# Altium PCB IoTa_1_0.PcbDoc (part 2 of 2)
Units mil, origin at the board's own origin, x right, y up, seen from the top; angles counter-clockwise.
Board outline 2180 x 800 mil, 8 copper layers (Top Layer, Signal Layer 1, Signal Layer 2, Internal Plane 1, Internal Plane 2, Signal Layer 3, Signal Layer 4, Bottom Layer), stack 61.2 mil thick; 113 components, 104 nets, 534 pads, 173 vias.
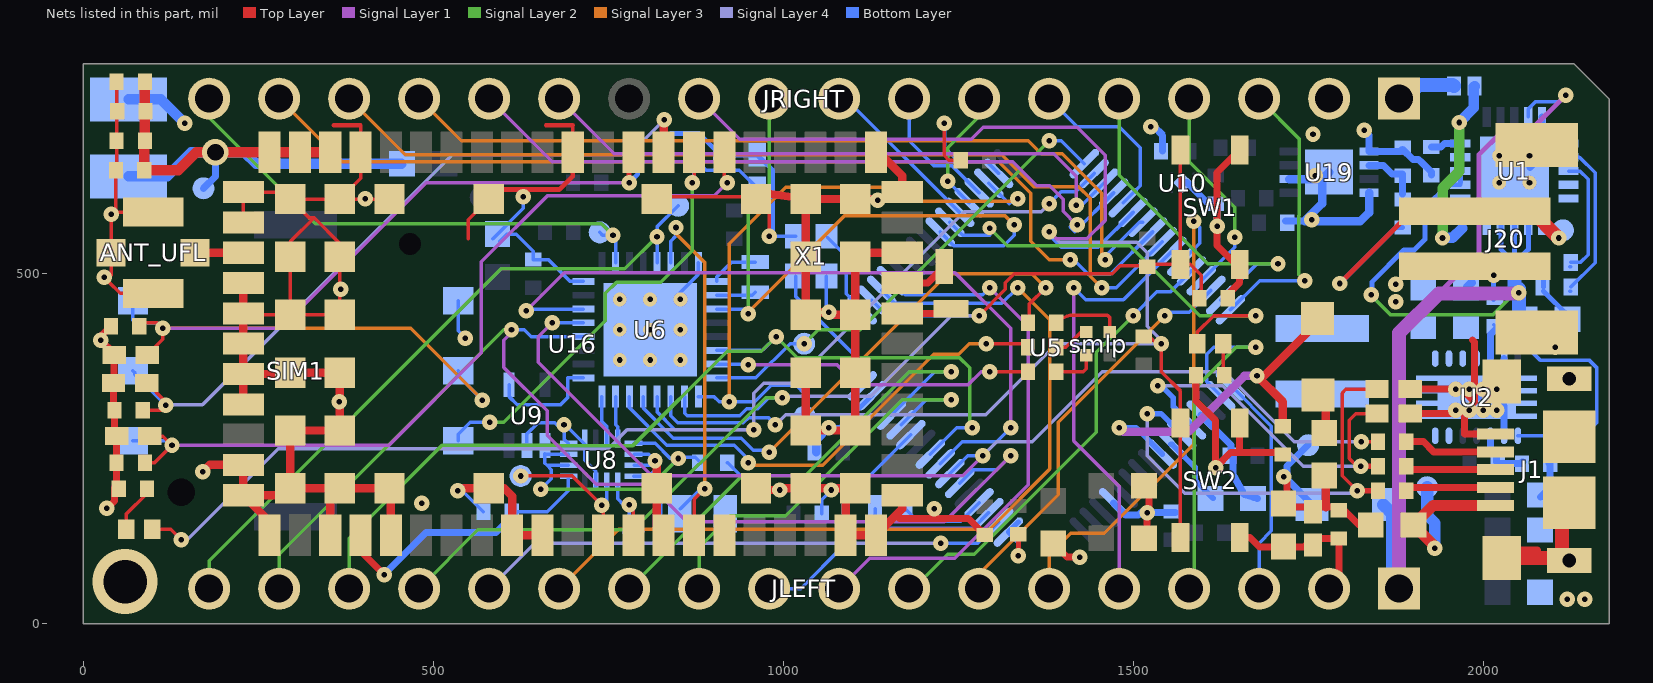
[diagram p8: the nets of this part, all layers, seen from the top]

## Via types
v1: diameter 20/22/22/22/22/20 (per signal layer), hole 8, Top Layer to Bottom Layer, tented top, 160 vias
v2: diameter 19.68, hole 7.87, Top Layer to Bottom Layer, 9 vias
v3: diameter 20/20/20/20/20/20 (per signal layer), hole 8, Top Layer to Bottom Layer, tented top, 2 vias
v4: diameter 86.8/76/76/76/76/93 (per signal layer), hole 62, Top Layer to Bottom Layer, 1 vias
v5: diameter 36/38/38/38/38/36 (per signal layer), hole 24, Top Layer to Bottom Layer, 1 vias

## Nets (pads, with @x,y where several pads share a name; then routed paths per layer and width w, separated by ;. In a path a pad name is that pad's centre, name@x,y a point inside that pad or via, vN(x,y) a via of type N, cw(c..) or ccw(c..) an arc to the next point about the centre after c; other vN are vias at no path point) (continued)
GND: ANT_UFL.GND1 ANT_UFL.GND2 ANT_UFL.GND3 C1.2 C2.2 C3.2 C4.2 C6.2 C7.2 C8.2 C9.2 C10.2 C11.2 C12.2 C16.2 C18.2 C20.2 C24.2 C25.2 C26.2 C27.2 C28.2 C33.2 C34.2 C36.2 C37.2 C38.2 C39.2 C40.2 C41.2 C42.2 C43.2 C44.2 C45.2 C46.2 C47.2 C48.2 C49.2 D3.1 D4.1 D5.1 D6.1 D9.1 D10.1 D11.1 J1.GND J20.CHASSIS1 J20.CHASSIS2 J20.GND JLEFT.2 JRIGHT.2 L3.2 R7.1 R8.1 R12.2 R26.1 R51.2 R65.1 R2000.1 SIM1.C5 SW1.3 SW1.4 SW2.3 SW2.4 U1.10 U1.11 U1.21 U2.2 U2.13 U2.POWERPAD U5.4 U5.31 U5.47 U6.8 U6.16 U6.PAD U8.P$1 U8.P$6 U8.P$7 U8.P$8 U8.P$11 U8.P$16 U9.2 U10.2 U10.5 U16.1 U16.3 U16.5 U16.9 U16.10 U16.14 U16.20 U16.21 U16.22 U16.30 U16.32 U16.33 U16.43 U16.50 U16.54 U16.55 U16.57 U16.58 U16.59 U16.60 U16.61 U16.63 U16.64 U16.65 U16.66 U16.67 U16.68 U16.69 U16.70 U16.71 U16.72 U16.73 U16.74 U16.75 U16.76 U16.77 U16.78 U16.79 U16.80 U16.81 U16.82 U16.83 U16.84 U16.85 U16.86 U16.87 U16.88 U16.89 U16.90 U16.91 U16.92 U16.93 U16.94 U16.95 U16.96 U19.1 U19.4 U19.6 U19.EP X1.2 X1.4 | length 9348.2
  Top Layer w5: C40.2@47.82,774 C39.2@47.82,690 47.82,649 C46.2@46.82,648 46.82,591.82 v1@43.07,588.07 ; ANT_UFL.GND2@86.97,484.96 ANT_UFL.GND2@100,471.93 52.99,471.93 36.96,487.96 36.96,494.96 39.96,497.96 ANT_UFL.GND3@39.96,530 39.96,575.04 35,580 v1(40,585) v1@43.07,588.07 ; ANT_UFL.GND1@100,588.07 v1@43.07,588.07 ; U16.55@229,573.23 U16.54@229,616.54 286.09,616.54 U16.70@295.93,606.69 ; U16.58@230.97,441.34 U16.68@295.93,441.34 ; 396.32,711 U16.50@396.32,673.62 396.32,636.22 U16.76@366.8,606.69 ; U16.78@437.66,606.69 U16.76@366.8,606.69 ; 550,550 550,577.3 U16.80@579.39,606.69 ; U16.43@699.47,673.62 699.47,711 ; U16.82@820.85,616.69 827.54,610 U16.84@966.64,610 ; U16.84@966.67,609.96 980,587.98 v1(980,553.35) ; v1(1230,715) 1230,669 1236.79,662.21 C4.2@1253.8,662.21 ; U16.68@295.93,441.34 U16.74@366.8,441.34 U16.75@366.8,524.02 366.8,543.2 330,580 ; U16.68@295.93,441.34 U16.69@295.93,524.02 295.93,545.93 330,580 ; U16.70@295.93,606.69 322.62,580 330,580 ; U16.70@295.93,606.69 U16.76@366.8,606.69
  Top Layer w6: 358,712 396.32,712 ; 661.15,712 699.47,712
  Top Layer w7: U16.80@579.39,606.69 592.7,620 680,620 699.47,639.47 U16.43@699.47,673.62
  Top Layer w10: C45.2@39.82,425 25,410.18 v1(25,405) 44.38,385.62 D11.1@44.38,384 44.38,345 D6.1@43.38,344 43.38,306.44 C41.2@44.82,305 44.82,271.18 D9.1@48,268 48,230.18 C42.2@47.82,230 47.82,196 R65.1@50.82,193 ; v1@40,170 45,175 R65.1@45,194.82 ; 1161.16,155 1166.16,150 1264.82,150 C9.2@1288,126.82 ; L3.2@1386,114.5 1405.5,95 v1(1424,95) ; R26.1@1589.82,355 1589.82,318.18 1618,290 v1(1618,223) 1639.28,244.28 1652.32,244.28 ; C24.2@1632.72,465 1632.72,467.72 1652.32,487.32 SW1.3@1652.32,513.31 1646.69,513.31 1620,540 v1(1620,568) 1620,644.37 SW1.4@1652.32,676.69 ; SW2.4@1648.31,286.69 SW2.4@1652.32,286.69 1652.32,244.28 ; SW2.3@1652.32,123.31 1666.69,123.31 1680.5,109.5 1744.5,109.5 1756.82,121.82 C12.2@1794,121.82 1794,64 JLEFT.2@1780,50 JLEFT.2@1775,55 ; C18.2@1714,244.28 1652.32,244.28 ; D3.1@1895.62,300 1955.63,300 v1(1960.63,305) ; D4.1@1895.62,335 v1(1960.63,335) ; v1@1964.4,340 1987.45,316.95 ; 1985,405 1987.45,402.55 1987.45,316.95 ; J1.GND@2007.69,271.18 1973.28,271.18 1973.28,302.78 1987.45,316.95 ; J1.GND@2016.54,105.33 2078,105.33
  Top Layer w12: v1(171,217) 180.77,226.77 U16.63@229,226.77 U16.64@229,183.47 ; U16.61@229,313.39 U16.60@229,356.69 ; U16.57@229,486.61 U16.58@229,443.31 U16.59@229,400 U16.60@229,356.69 ; U16.1@266.4,126.38 266.4,146.06 U16.64@229,183.47 ; U16.3@353.02,126.38 353.02,179.53 U16.71@366.8,193.31 ; U16.5@439.63,126.38 439.63,191.34 U16.77@437.66,193.31 U16.71@366.8,193.31 ; v1(535,190) 538.31,193.31 U16.79@579.39,193.31 601.69,193.31 612.86,182.14 U16.9@612.86,126.38 U16.10@656.17,126.38 ; v1@819.55,233 U16.81@819.55,193.31 819.55,136.22 U16.14@829.39,126.38 ; U16.83@961.28,193.31 976.69,193.31 974.39,191 v1(995,191) 997.31,193.31 U16.85@1032.15,193.31 U16.91@1103.02,193.31 1089.24,179.53 U16.20@1089.24,126.38 U16.21@1132.54,126.38 1161.16,155 1169.94,163.78 U16.22@1169.94,183.47 ; U16.84@962.58,616.69 962.72,616.67 U16.90@1032.15,606.69 ; U16.87@1032.15,358.66 U16.86@1032.15,275.98 U16.92@1103.02,275.98 U16.93@1103.02,358.66 U16.94@1103.02,441.34 ; U16.33@1132.54,673.62 1136.38,673.62 1169.94,640.06 U16.32@1169.94,616.54 1160.1,606.69 U16.96@1103.02,606.69 U16.90@1032.15,606.69 ; U16.30@1169.94,529.92 1108.92,529.92 U16.95@1103.02,524.02 U16.94@1103.02,441.34 ; U16.64@229,183.47 286.09,183.47 U16.65@295.93,193.31 ; U16.60@229,356.69 293.96,356.69 U16.67@295.93,358.66 U16.73@366.8,358.66 U16.72@366.8,275.98 U16.66@295.93,275.98 U16.65@295.93,193.31 ; U16.65@295.93,193.31 U16.71@366.8,193.31 ; U16.90@1032.15,606.69 U16.89@1032.15,524.02 U16.88@1032.15,441.34 1035.81,445 v1(1065,445) 1068.66,441.34 U16.94@1103.02,441.34
  Top Layer w20: J1.GND@2016.54,94.02 J1.GND@2026.54,94.02 2109.06,94.02 2113,97.95 J1.GND@2113,172.76
  Bottom Layer w5: v1(535,190) 541.82,190 C25.2@571.82,160 ; SIM1.C5@535.67,461.23 535.67,418.33 v1(546,408) ; C28.2@585.5,550 C28.2@592,556.5 629,593.5 v1(629,610) ; C28.2@595,546.5 605,556.5 618.5,556.5 643,532 C3.2@643,520.18 664.82,520.18 696.1,488.9 U6.8@714.53,488.9 ; U9.2@634,254.69 634,271 650,287 674,287 v1@682,279 ; 687,273 687,263.57 U8.P$16@692.95,257.62 ; v1(687,284) 688.92,284 U8.P$1@716.38,256.54 ; U8.P$1@715.42,255.58 716.33,254.67 716.33,233.67 732.08,217.92 U8.P$11@732.08,194.62 ; U8.P$8@786.26,210.38 808.38,210.38 817,219 ; U8.P$7@787.05,226.13 810.13,226.13 v1(817,233) ; U8.P$6@787.05,241.87 808.13,241.87 v1(817,233) ; 824.82,157 824.82,211.18 817,219 ; v2(853.31,463.31) 853.31,473.31 878.9,498.9 U6.16@878.9,515.47 ; C26.2@920.18,230 921,230 960,191 v1(995,191) ; v1@983.35,553.35 X1.2@1018.35,553.35 ; C43.2@1055.18,157 1055.18,177.18 v1(1069,191) ; X1.4@1061.65,496.65 1061.65,448.35 v1(1065,445) ; v1(1230,715) 1230.82,714.18 1230.82,680 1231,680 1252,659 1291.95,659 U5.47@1307.79,643.16 ; R12.2@2094.33,230.63 R12.2@2101.21,237.51 ; 817,219 v1(817,233)
  Bottom Layer w7: C2.2@827.72,670 827.72,687.72 840,700 880.18,700 C44.2@910.18,670 910.56,669.62 D10.1@963,669.62 985,647.62 985,558.35 v1(980,553.35) ; v1(1065,280) 1081.05,280 U5.31@1126.84,325.79 ; C48.2@2015,462.72 v1(2015,498) ; R7.1@2086.3,475 2121.5,439.8 2121.5,421.5 v1@2100,400 ; R7.1@2086.3,481 R8.1@2086.3,516
  Bottom Layer w10: v1(1525,710) 1530,710 1542.28,697.72 C16.2@1542.28,675 ; U10.5@1575,630 1577.17,630 1605,602.17 1619.88,602.17 1620,602.28 v1@1620,575 ; U5.4@1597.32,297.96 1640,255.27 1640,240 C8.2@1637.54,240 1635,240 v1(1618,223) ; C8.2@1642.72,240 1642.72,213.11 1644.58,209.77 1658.78,184.31 1671.95,180.58 C10.2@1677.5,179 ; C27.2@1717.72,575 v1@1745,575 ; JLEFT.2@1780,50 JLEFT.2@1780,53.5 ; v1(1830,705) 1837.09,697.91 U19.1@1837.09,674.53 1881.81,674.53 1885,677.72 1899.72,663 1907.91,663 1910.05,660.86 1910.14,660.86 1926,645 R2000.1@1926,640.65 ; U2.POWERPAD@1990.63,323.63 U2.POWERPAD@2013.63,323.63 ; U2.2@2030,268.51 2030,311.26 2017.63,323.63 U2.POWERPAD@2013.63,323.63 ; U2.13@2030,378.75 2030,340 U2.POWERPAD@2013.63,323.63 ; U1.21@2066.65,651.65 2084.37,669.37 U1.21@2084.37,686.06 ; C37.2@2082.13,180.63 2095.81,194.31 R12.2@2095.81,228.63 ; U1.21@2084.01,686.06 U1.21@2084.37,686.06 ; U1.10@2084.37,724.05 U1.21@2084.37,686.06 ; R12.2@2094.33,228.63 R12.2@2094.33,230.63 ; U1.11@2122,686.06 U1.21@2084.37,686.06
  Bottom Layer w12: C7.2@1047.28,245 1047.28,262.28 v1(1065,280) ; U19.6@1722.91,635.16 U19.EP@1770.16,635.16 ; U19.EP@1780,645 U19.EP@1770.16,635.16 ; U19.4@1837.09,615.47 1837.09,587.33 1824.76,575 1745,575 1770,600 1770,635 U19.EP@1770.16,635.16
  Bottom Layer w15: C47.2@65,749 111,749 v1(145,715)
  other v1: 2120,35 2145,35 1216,164 34,165 484,172 1980.31,305 2000,305 2019.69,305 366,317 1980.31,335 2000,335 2019.69,335 2103,395 1875,460 368,478 1875,485 30,495 1755,577 1135,605 403,607 1760,640 1757,699
  other v2: 766.69,376.69 810,376.69 853.31,376.69 766.69,420 810,420 853.31,420 766.69,463.31 810,463.31
  other v4: 60,60
NetC13_1: C13.1 L1.2 R19.1 U5.13 | length 173.4
  Top Layer w10: C13.1@1521.5,122 1520,123.5 v1(1520,158.7) 1522.5,161.2 L1.2@1522.5,197
  Bottom Layer w10: U5.13@1472.04,172.68 1489.34,155.38 1507.86,155.38 1511.18,158.7 v1(1520,158.7) R19.1@1560.22,158.7
NetC15_1: C15.1 U5.17 | length 90.9
  Top Layer w7: v1(1336,97) C15.1@1336,127.82
  Bottom Layer w7: v1(1336,97) 1336,116.64 U5.17@1321.71,130.92 U5.17@1336,145.21
NetC20_1: C20.1 R45.1 U19.2 | length 81.7
  Bottom Layer w10: U19.2@1837.09,654.84 1857.44,654.84 1870,642.28 1885,642.28 C20.1@1885,639.82 R45.1@1885,613.7
NetC48_1: C48.1 U2.1 U2.12 | length 419
  Bottom Layer w5: C48.1@2015,427.28 2019.78,422.5 2044.22,398.06 2060,398.06 2082.06,376 2152,376 2162,366 2162,287 2143.51,268.51 U2.1@2049.69,268.51
  Bottom Layer w10: U2.12@2010.32,378.75 2010.32,413.04 C48.1@2019.78,422.5
NetD1_CATHODE: D1.CATHODE R26.2 | length 45
  Top Layer w5: R26.2@1628.7,355 D1.CATHODE@1628.7,400
NetD7_CATHODE: D7.CATHODE R65.2 | length 71.3
  Top Layer w5: D7.CATHODE@61.3,135 61.3,156.12 91,185.82 R65.2@91,194
NetL2_1: L2.1 U4.Anode | length 64.6
  Top Layer w12: U4.Anode@1763.9,326.55 1775,315.44 L2.1@1775,266.5
NetL5_P$1: L5.P$1 U2.8 U2.9
NetL5_P$2: L5.P$2 U2.6 U2.7
NetR7_2: R7.2 U1.12 | length 226.2
  Bottom Layer w5: U1.12@2122,666.37 2137.63,666.37 2160,644 2160,515.82 R7.2@2125.18,481 ; R7.2@2123.7,475 R7.2@2125.18,475
NetR8_2: R8.2 U1.13 | length 171.7
  Bottom Layer w5: U1.13@2122,646.68 2138.31,646.68 2150,635 2150,527 2139,516 R8.2@2125.18,516 ; R8.2@2123.7,510 R8.2@2125.18,510
NetR12_1: R12.1 R13.1 U2.3 | length 79.2
  Bottom Layer w10: U2.3@2010.32,268.51 2010.32,250.94 2019.33,241.93 2019.33,230.63 R13.1@2020.81,230.63 ; R13.1@2020.81,228.63 R12.1@2055.45,228.63 ; R12.1@2055.45,230.63 R12.1@2056.93,230.63
NetR20_2: R20.2 smlp.2 | length 65.3
  Top Layer w5: R20.2@1388.7,360 R20.2@1390.18,360 1429,360 1433.27,364.27 smlp.2@1433.27,383.27
NetR21_2: R21.2 smlp.3 | length 54.6
  Top Layer w5: R21.2@1388.7,395 R21.2@1390.18,395 1404,395 1425.73,416.73 smlp.3@1433.27,416.73 1433,416.46 smlp.3@1433.46,416
NetR22_2: R22.2 smlp.4 | length 101.4
  Top Layer w5: R22.2@1390.18,430 cw(c1416.25,403.93) 1416.23,440.8 1461.7,440.8 cw(c1461.73,435.8) 1466.73,435.8 smlp.4@1466.73,416.73
NetR2000_2: R2000.2 U1.5 | length 43.4
  Bottom Layer w10: R2000.2@1926,681 1940,681 1945.06,686.06 U1.5@1967.28,686.06
NetU5_19: U5.19 X2.2 | length 196.8
  Bottom Layer w5: X2.2@1131.35,164 1131.35,140.65 1135.5,136.5 1271.61,136.5 U5.19@1293.88,158.76
NetU5_20: U5.20 X2.1 | length 125.7
  Bottom Layer w5: X2.1@1174,162 1174.65,162.65 X2.1@1174.65,164 1192.15,146.5 1253.77,146.5 U5.20@1279.96,172.68
NetU5_32: U5.32 X1.1 | length 196.1
  Bottom Layer w5: X1.1@1018.35,496.65 1018.35,466.9 1112.92,372.33 U5.32@1112.92,339.71
NetU5_33: U5.33 X1.3 | length 126.3
  Bottom Layer w5: X1.3@1061.65,553.35 1090,525 1090,471.21 U5.33@1112.92,448.29
NetU6_17: U6.17 X3.2 | length 69.9
  Bottom Layer w5: U6.17@905.47,488.9 905.47,495.47 926.65,516.65 X3.2@960,516.65
NetU6_18: U6.18 X3.1 | length 56.2
  Bottom Layer w5: U6.18@905.47,469.21 955.87,469.21 X3.1@960,473.35
PWM_B: R21.1 U6.30 | length 697.9
  Top Layer w5: v1(1290,400) 1346.3,400 R21.1@1351.3,395
  Signal Layer 3 w5: v1(950,230) 953.5,226.5 1056.5,226.5 1215,385 1251.16,385 1266.16,400 v1(1290,400)
  Bottom Layer w5: U6.30@780.47,324.53 780.47,308.42 833.89,255 847.53,255 847.75,255.22 862.25,255.22 862.47,255 930,255 950,235 v1(950,230)
PWM_G: R22.1 U6.29 | length 797.8
  Top Layer w5: R22.1@1351.3,430 1351.3,456.3 v1(1375,480)
  Signal Layer 3 w5: v1(980,245) 1235,500 1355,500 v1(1375,480)
  Bottom Layer w5: U6.29@800.16,324.53 800.16,308.13 843.28,265 843.39,265 843.61,265.22 866.39,265.22 866.61,265 940,265 957.5,247.5 v1@987.5,247.5
PWM_R: R20.1 U6.23 | length 464.6
  Top Layer w5: v1(1295,360) R20.1@1349.82,360
  Signal Layer 1 w5: v1(950,370) 1077,370 1106,341 1264,341 1283,360 v1(1295,360)
  Bottom Layer w5: U6.23@905.47,370.79 949.21,370.79 v1(950,370)
SYS_RESET: JRIGHT.10 U5.41 U6.19 | length 941
  Signal Layer 2 w5: v1@950,445 950,591 980,621 JRIGHT.10@980,750
  Signal Layer 3 w5: v1@950,445 1087.5,582.5 1317.5,582.5 v1(1330,570)
  Bottom Layer w5: U6.19@905.47,449.53 945.47,449.53 v1@950,445 ; U5.41@1224.28,559.64 1243.92,540 1315,540 1330,555 v1(1330,570)
  other v1: 950,443
SYS_TCK_SWDCLK: JRIGHT.18 TP17.TP U6.10 | length 735.3
  Signal Layer 2 w5: JRIGHT.18@180,750 180,723 331.5,571.5 740.5,571.5 v1(757,555)
  Bottom Layer w5: TP17.TP@738,559 742,555 v1(757,555) 760.79,551.21 U6.10@760.79,515.47
SYS_TMS_SWDIO: JLEFT.18 TP27.TP U6.13 | length 965.6
  Signal Layer 2 w5: JLEFT.18@180,50 180,90 597,507 773.84,507 v1(819.84,553)
  Bottom Layer w5: U6.13@819.84,515.47 v1(819.84,553) 819.84,566.84 TP27.TP@850,597
SYS_TX_TO_USR_RX: TP25.TP U5.46 U6.25 | length 939.4
  Signal Layer 3 w5: v1(923,317) 923,543 1003.5,623.5 1156.5,623.5 1176.5,603.5 1331.5,603.5 v1(1335,607)
  Bottom Layer w5: U6.25@878.9,324.53 901,324.53 908.53,317 v1(923,317) 959.5,317 983,340.5 1018.5,340.5 1031.15,327.85 TP25.TP@1031.15,296.01 ; U5.46@1293.88,629.24 1323.11,600 1330.11,607 v1(1335,607)
SYS_UBLOX_RX: U6.31 U8.P$4 | length 70.7
  Bottom Layer w5: U6.31@760.79,324.53 760.79,284 763.62,281.17 U8.P$4@763.62,264.51 U8.P$4@763.62,258.51 ; U8.P$4@763.57,255.64 765,257.07 U8.P$4@765,258.51
SYS_UBLOX_TX: U6.32 U8.P$3 | length 85.2
  Bottom Layer w5: U6.32@741.1,311.1 U6.32@741.1,324.53 741,324.43 741,289 747.82,282.18 U8.P$3@747.82,255.64
SYSTEMVIN: C1.1 JLEFT.1 U1.2 U1.3 U1.4 U1.9 U1.17 U1.18 U1.19 U3.Cathode | length 1916.8
  Signal Layer 1 w7: 1937,472 1994,529 1994,670 2025,701 2064,701 v1(2118,755)
  Signal Layer 1 w20: JLEFT.1@1880,50 1880,415 1937,472 v1@2051,472
  Signal Layer 2 w5: v1(1840,470) 1840,468.84 1867.84,441 2014,441 v1@2051,478
  Bottom Layer w5: U1.9@2064.32,724.05 2064.32,735.24 2075,745.92 2108.92,745.92 v1(2118,755)
  Bottom Layer w7: v1(1840,470) 1841.5,471.5 1841.5,488.52 1886.98,534 1902,534 1917,549 1917,594 1950,627 U1.2@1967.28,627 ; U1.2@1967.64,630 U1.4@1967.64,666.37 ; U1.19@2025.31,569.32 2025.31,534.68 2045,515 ; U1.18@2045,569.32 2045,515 ; U1.17@2064.69,569.32 2064.69,534.69 2045,515
  Bottom Layer w18: U3.Cathode@1857.24,170 1870,157.24 1870,60 JLEFT.1@1880,50
  Bottom Layer w20: 2045,515 2045,484 2051,478 v1(2051,473) 2051,437.5 C1.1@2058.5,430
TXL_ON_N: U6.1 U9.4 | length 159.8
  Bottom Layer w5: U9.4@608.41,341.31 608.41,324.59 620,313 682,313 692.1,323.1 692.1,351.1 U6.1@714.53,351.1
TXL_VCC: C26.1 U8.P$5 U8.P$14 U8.P$15 U9.1 | length 453.4
  Signal Layer 2 w5: v1(654,192) 806,192 v1(850,236)
  Bottom Layer w5: v1(654,192) 668.87,206.87 668.87,220.13 662.87,226.13 ; U8.P$14@692.95,226.13 662.87,226.13 ; U8.P$15@692.95,241.87 660.13,241.87 659.59,242.41 659.59,229.41 662.87,226.13 ; U8.P$5@787.05,257.62 817.13,257.62 838.75,236 v1(850,236) ; v1@842.28,237.72 874.57,237.72 C26.1@882.28,230
UBLOX_1.8V_SUPPLY: C25.1 U8.P$13 U16.4 | length 405.7
  Top Layer w5: U16.4@396.32,103.68 U16.4@396.32,126.38
  Top Layer w10: U16.4@396.32,103.68 v1(430,70)
  Bottom Layer w5: C25.1@612.18,160 663,160 692.91,189.91 U8.P$13@692.91,210.38
  Bottom Layer w10: v1(430,70) 490,130 590,130 C25.1@616.09,156.09
UBLOX_ANT: ANT_UFL.SIGNAL U16.56 | length 69
  Top Layer w12: ANT_UFL.SIGNAL@160.04,530 160.12,529.92 U16.56@229,529.92
UBLOX_ANT_IND: U16.16
UBLOX_PWR_ON: R51.1 U6.14 U16.15 | length 581
  Top Layer w5: U16.15@872.7,126.38 872.7,177.7 v1(888,193)
  Signal Layer 3 w5: v1(847,566) 847,557 888,516 v1(888,193)
  Bottom Layer w5: U6.14@839.53,515.47 839.53,546.53 847,554 v1(847,566) ; R51.1@853.31,164 890,200.69 890,191 v1(888,193)
UBLOX_RXD: TP24.TP U8.P$9 U16.13 | length 121.7
  Top Layer w5: v1(780,170) 786.09,163.91 U16.13@786.09,126.38
  Bottom Layer w5: U8.P$9@763.57,194.62 763.57,178.43 772,170 v1(780,170) 780,139 TP24.TP@786,133
UBLOX_SARA_USB_D_N: U16.28 U$2.P$1 | length 72.8
  Top Layer w10: U16.28@1169.94,443.31 1233.31,443.31 U$2.P$1@1240,450
UBLOX_SARA_USB_D_P: U16.29 U$1.P$1 | length 69.7
  Top Layer w10: U16.29@1169.94,486.61 1206.61,486.61 U$1.P$1@1230,510
UBLOX_SIM_CLK: C42.1 D9.2 SIM1.C3 U16.38 | length 1212.1
  Top Layer w5: C42.1@88.18,230 102,230 v1(127,255) 114,268 D9.2@95.24,268 ; U16.38@916.01,673.62 916.01,633.99 v1(920,630)
  Signal Layer 1 w5: v1(127,255) 437,255 569,387 569,517.16 663.34,611.5 901.5,611.5 v1(920,630)
  Bottom Layer w5: SIM1.C3@71.1,261.23 v1@127,261.23
UBLOX_SIM_IO: C44.1 D10.2 SIM1.C7 U16.39 | length 767.7
  Top Layer w5: v1(870,630) 872.7,632.7 U16.39@872.7,673.62
  Signal Layer 2 w5: v1(581,288) 601,288 746,433 746,472 762,488 825,488 870,533 v1(870,630)
  Bottom Layer w5: SIM1.C7@535.67,261.23 535.67,270.67 553,288 v1(581,288) ; C44.1@869.82,670 869.82,668.18 C44.1@872.28,665.72 ; v1(870,630) 872.28,632.28 C44.1@872.28,665.72 ; D10.2@963,622.38 937.38,648 890,648 C44.1@872.28,665.72
UBLOX_SIM_RST: C41.1 D6.2 SIM1.C2 U16.40 | length 1086.4
  Top Layer w5: C41.1@85.18,305 111,305 v1(118,312) 118,316.62 D6.2@90.62,344 D6.2@85.18,338.56
  Top Layer w12: U16.40@829.39,673.62 829.39,719.39 v1(830,720)
  Signal Layer 4 w5: v1@118,304 127,313 170.5,313 527.5,670 780,670 v1(830,720)
  Bottom Layer w5: SIM1.C2@71.1,361.23 74,358.33 74,356 v1(118,312)
UBLOX_SIM_VSIM: C2.1 C45.1 D11.2 SIM1.C1 SIM1.C6 U16.41 | length 1557.1
  Top Layer w5: C45.1@80.18,425 85.18,430 106,430 v1(114,422) 114,406.38 D11.2@91.62,384
  Top Layer w7: v1(780,630) 780,667.54 U16.41@786.09,673.62
  Signal Layer 1 w5: v1(114,422) 282,422 490,630 v1(780,630)
  Signal Layer 3 w5: v1(114,422) 468,422 v1@569.55,320.45
  Bottom Layer w5: SIM1.C1@71.1,461.23 71.1,433.23 74.33,430 106,430 v1(114,422) ; SIM1.C6@535.67,361.23 535.67,354.33 v1@569,321
  Bottom Layer w7: v1(780,630) 792.28,642.28 C2.1@792.28,670
  other v1: 570,319
UBLOX_TXD: TP23.TP U8.P$10 U16.12 | length 208.1
  Top Layer w5: v1(625,211) 699,211 v1(741,169) 742.78,167.22 U16.12@742.78,126.38
  Bottom Layer w5: v1(741,169) 747.87,175.87 U8.P$10@747.87,197.49
UBLOX_VCC: C6.1 C39.1 C40.1 C46.1 C47.1 L7.1 TP28.TP U16.51 U16.52 U16.53 | length 872.3
  Top Layer w15: C40.1@88.18,774 C39.1@88.18,690 87.18,689 C46.1@87.18,648 136,648 161.62,673.62 v5(189,673.62) U16.53@266.4,673.62 U16.52@309.71,673.62 U16.51@353.02,673.62
  Bottom Layer w10: TP28.TP@172,622 189,639 v5(189,673.62)
  Bottom Layer w15: C47.1@65,639 120,639 154.62,673.62 v5(189,673.62) 230.38,673.62 247,657 L7.1@454.5,657
USB_5V: F6.1 J1.VCC TP1.TP | length 255.9
  Top Layer w16: v1(1931,108) 1931,110.5 F6.1@1900.5,141 1928.32,168.82 J1.VCC@2007.69,168.82
  Bottom Layer w16: 1920,155 1931,144 v1(1931,108)
  Bottom Layer w18: 1920,155 TP1.TP@1920,195
USB_D_N: D4.2 R1.2 U5.6 | length 667.3
  Top Layer w5: v1(1820,190) 1798.5,211.5 1798.5,329.5 1804,335 D4.2@1848.38,335
  Top Layer w8: v1@1830,190 R1.2@1849.82,190 R1.2@1851.3,190
  Signal Layer 4 w5: v1(1520,300) 1520,240 1573.5,186.5 1816.5,186.5 v1(1820,190)
  Bottom Layer w8: v1(1520,300) 1539.6,300 U5.6@1569.48,270.12
USB_D_P: D3.2 R2.2 U5.5 | length 569.3
  Top Layer w5: v1(1825,225) 1819.5,225 1808.5,236 1808.5,290.5 1818,300 D3.2@1848.38,300
  Top Layer w8: v1(1825,225) R2.2@1849.82,225 R2.2@1851.3,225
  Signal Layer 4 w5: v1(1535,340) 1628,340 1743,225 v1(1825,225)
  Bottom Layer w8: v1(1535,340) 1535,345 1557.44,322.56 1557.44,310 U5.5@1583.4,284.04
USB_ID: J1.ID R66.1 | length 125
  Top Layer w10: R66.1@1888.7,260 R66.1@1890.18,260 1915,260 1929.41,245.59 J1.ID@2007.69,245.59
USB_IN: C11.1 C12.1 D5.2 F6.2 L2.2 TP5.TP U3.Anode | length 314.9
  Top Layer w10: v1@1720,205 1720,171.5 1725,166.5 1775,166.5 1797,166.5 1822.5,141 F6.2@1839.5,141
  Top Layer w12: 1775,166.5 L2.2@1775,203.5
  Bottom Layer w10: TP5.TP@1750,255 1720,225 1720,205 1720.91,205 U3.Anode@1755.51,170.39
  other v1: 1715,210
USB_IN_D_N: J1.D- R1.1 | length 120.8
  Top Layer w10: R1.1@1888.7,190 1893.11,194.41 J1.D-@2007.69,194.41
USB_IN_D_P: J1.D+ R2.1 | length 121.1
  Top Layer w10: R2.1@1888.7,225 1893.7,220 J1.D+@2007.69,220
USER01: JLEFT.12 U5.29 | length 699.8
  Signal Layer 2 w5: JLEFT.12@780,50 941.92,211.92 942.34,211.5 1031.5,211.5 1180,360 v1(1240,360)
  Bottom Layer w5: U5.29@1154.68,297.96 1216.73,360 v1(1240,360)
USER02: JLEFT.11 U5.28 | length 602.7
  Signal Layer 2 w5: JLEFT.11@880,50 880,109 925,154 1004,154 1170,320 v1(1240,320) v1@1245,320
  Bottom Layer w5: U5.28@1168.6,284.04 1204.56,320 v1(1240,320) v1@1245,320
USER03: JLEFT.10 U5.27 | length 330.4
  Bottom Layer w5: JLEFT.10@980,50 1025,50 1086,111 1086,173.6 U5.27@1182.52,270.12
USER04: JLEFT.3 U5.1 | length 321.7
  Bottom Layer w5: U5.1@1639.08,339.71 1640.03,339.71 1697.5,282.25 1697.5,132.5 1680,115 JLEFT.3@1680,50
USER05: JLEFT.4 U5.2 | length 542.4
  Signal Layer 2 w5: JLEFT.4@1580,50 1587,57 1587,335 1647,395 v1(1675,395)
  Bottom Layer w5: U5.2@1625.16,325.79 1605,345.95 1605,385 1615,395 v1(1675,395)
USER06: JLEFT.13 U5.35 | length 1261.2
  Signal Layer 3 w5: JLEFT.13@680,50 765,135 1295,135 1381,221 1381,434 v1(1335,480)
  Bottom Layer w5: U5.35@1140.76,476.12 1159.39,457.5 1312.5,457.5 v1(1335,480)
USER07: JLEFT.9 U5.36 | length 788.6
  Signal Layer 1 w5: JLEFT.9@1080,50 1123.5,93.5 1245,93.5 1350,198.5 1350,425 v1(1295,480)
  Bottom Layer w5: U5.36@1154.68,490.04 1174.73,470 1285,470 v1(1295,480)
USER08: JLEFT.14 U5.18 | length 767.1
  Signal Layer 4 w5: JLEFT.14@580,50 645,115 v1(1225,115)
  Bottom Layer w5: v1(1225,115) 1277.95,115 U5.18@1307.79,144.84
USER09: JRIGHT.8 U5.45 | length 190.9
  Bottom Layer w5: JRIGHT.8@1180,750 1180,690 1216.1,653.9 1241.37,653.9 U5.45@1279.96,615.32
USER10: JRIGHT.7 U5.44 | length 180.4
  Signal Layer 2 w5: v1(1235,632) 1235,680 1280,725 JRIGHT.7@1280,750
  Bottom Layer w5: v1(1235,632) 1265.6,601.4 U5.44@1266.04,601.4
USER11: JRIGHT.9 U5.43 | length 239.4
  Bottom Layer w5: JRIGHT.9@1080,750 1089.6,750 U5.43@1252.12,587.48
USER12: JRIGHT.6 U5.53 | length 247.6
  Bottom Layer w5: JRIGHT.6@1380,750 1420,710 1480,710 1510,680 1510,625.44 U5.53@1485.96,601.4
USER13: JLEFT.5 U5.58 | length 633.4
  Signal Layer 1 w5: v1(1415,480) 1415,261 1480,196 JLEFT.5@1480,50
  Bottom Layer w5: v1(1415,480) 1432.5,462.5 1486.26,462.5 U5.58@1555.56,531.8
USER14: JLEFT.6 U5.59 | length 709.9
  Signal Layer 3 w5: JLEFT.6@1380,50 1380,98 1411,129 1459,129 1586.6,256.6 v1(1586.6,575)
  Bottom Layer w5: U5.59@1569.48,517.88 1595,543.4 1595,566.6 v1(1586.6,575)
USER15: JLEFT.8 U5.60 | length 658.2
  Signal Layer 2 w5: JLEFT.8@1180,50 1186.16,50 1235.16,99 1273,99 1447.5,273.5 1447.5,387.5 v1(1500,440)
  Bottom Layer w5: v1(1500,440) 1534,474 1553.44,474 U5.60@1583.4,503.96
USER16: JRIGHT.4 U5.61 | length 309.6
  Signal Layer 2 w5: JRIGHT.4@1580,750 1580,660 1645,595 v1(1645,552)
  Bottom Layer w5: U5.61@1597.32,490.04 1645,537.73 v1(1645,552) v1@1645,555
USER17: JLEFT.7 U5.62 | length 573.9
  Signal Layer 3 w5: JLEFT.7@1280,50 1280,71.16 1393,184.16 1393,288 v1(1545,440)
  Bottom Layer w5: v1@1550,445 1580.11,445 U5.62@1611.24,476.12
USER18: JRIGHT.5 U5.63 | length 494.7
  Signal Layer 2 w5: JRIGHT.5@1480,750 1480,640.43 1606.43,514 v1(1707,514)
  Bottom Layer w5: U5.63@1625.16,462.21 1676.95,514 1701,514 v1@1707,520
USER19: JRIGHT.3 U5.64 | length 410.5
  Signal Layer 2 w5: JRIGHT.3@1680,750 1737,693 1737,583.16 1736.5,582.66 1736.5,498.5 v1(1745,490)
  Bottom Layer w5: U5.64@1639.08,448.29 1680.79,490 v1(1745,490)
USER23: JRIGHT.13 U5.51 | length 878
  Signal Layer 1 w5: JRIGHT.13@680,750 758.5,671.5 1386.5,671.5 1419,639 v1(1419,598)
  Bottom Layer w5: v1(1419,598) 1426.89,598 U5.51@1458.12,629.24
USER24: JRIGHT.14 U5.52 | length 1023.7
  Signal Layer 1 w5: JRIGHT.14@580,750 670,660 1327.84,660 1362.34,625.5 1380.66,625.5 1400,606.16 1400,589 1419,570 v1(1420,570)
  Bottom Layer w5: v1(1420,570) 1413.27,570 1410,566.73 1416.73,560 U5.52@1472.04,615.32
USER26: JRIGHT.15 U5.55 | length 1211.9
  Signal Layer 3 w5: JRIGHT.15@480,750 540,690 1350,690 1368.5,671.5 1398.5,671.5 1455,615 v1@1455,520
  Bottom Layer w5: v1@1455,515 1455,520 1508.56,573.56 U5.55@1513.8,573.56
  other v1: 1460,520
USER27: JRIGHT.17 U5.56 | length 1415.9
  Signal Layer 3 w5: JRIGHT.17@280,750 370,660 1308.16,660 1353.5,614.66 1353.5,546.5 1380,520 v1(1410,520)
  Bottom Layer w5: v1(1410,520) 1415,520 1435,500 1468.08,500 U5.56@1527.72,559.64
USER28: JRIGHT.16 U5.57 | length 1365.8
  Signal Layer 3 w5: JRIGHT.16@380,750 460,670 1312.3,670 1357.8,624.5 1421.66,624.5 1438.5,607.66 1438.5,496.5 v1(1455,480)
  Bottom Layer w5: v1(1455,480) 1475.92,480 U5.57@1541.64,545.72
USER_PROGRAM: JRIGHT.11 R24.1 SW2.1 SW2.2 U5.54 U6.27 | length 2350.2
  Top Layer w5: R24.1@1525,408.7 v1@1536.85,396.85 ; v1(1540,400) 1540,360 1567.68,332.32 SW2.2@1567.68,286.69 SW2.1@1567.68,123.31
  Signal Layer 1 w5: JRIGHT.11@880,750 938,692 1269,692 1286,709 1420,709 1460,669 1460,576 1434,550 1390,550 v1(1380,560)
  Signal Layer 4 w5: v1@990,285 1003.5,298.5 1289.66,298.5 1391.16,400 v1(1540,400) 1540,405 1520,425 1520,530 1505,545 1395,545 v1(1380,560)
  Bottom Layer w5: U6.27@839.53,324.53 839.53,297.04 849.57,287 943.25,287 950.75,294.5 978.5,294.5 v1(989,284) ; v1(1380,560) 1380,555 1397.5,537.5 1449.9,537.5 U5.54@1499.88,587.48
USR_LED: D1.ANODE U5.42 | length 606.1
  Top Layer w5: D1.ANODE@1591.3,400 1591.3,416.3 1615,440 v1(1675,440)
  Signal Layer 2 w5: v3(1295,565) 1320,540 1495,540 1595,440 v1(1675,440)
  Bottom Layer w5: U5.42@1238.2,573.56 1256.76,555 v3@1295,555
USR_RESET: C24.1 JLEFT.15 R47.1 SW1.1 SW1.2 U5.34 U6.26 | length 1854
  Top Layer w5: v1(1280,440) 1317.5,477.5 1317.5,487.25 1330.25,500 1470,500 1481.3,511.3 R47.1@1520,511.3 ; R47.1@1520,513.31 SW1.1@1567.68,513.31 ; SW1.2@1567.68,676.69 SW1.1@1567.68,513.31 ; C24.1@1597.28,465 1597.28,497.72 1581.69,513.31 SW1.1@1567.68,513.31
  Signal Layer 2 w5: JLEFT.15@480,50 564,134 786,134 975,323 v1(999,323)
  Signal Layer 4 w5: v1@999,325 1125,325 1240,440 v1(1280,440)
  Bottom Layer w5: U6.26@859.21,324.53 859.21,300.79 863,297 937.86,297 947.86,307 963.64,307 979.64,323 v1(999,323) ; U5.34@1126.84,462.21 1149.05,440 v1(1280,440)
USR_TCK_SWDCLK: JLEFT.17 U5.22 U6.4 | length 1643.3
  Signal Layer 1 w5: v1(612,420) 612,416 601,405 601,366 663,304 663,269 733,199 809,199 862.5,145.5 1230.5,145.5 v1(1325,240)
  Signal Layer 2 w5: JLEFT.17@280,50 280,99 601,420 v1(612,420)
  Bottom Layer w5: v1(612,420) 630.32,420 640.16,410.16 U6.4@714.53,410.16 ; U5.22@1252.12,200.52 1271.6,220 1305,220 v1(1325,240)
USR_TDI: R66.2 U5.23 U6.5 | length 1537.6
  Top Layer w5: v1(1826,260) R66.2@1849.82,260 R66.2@1851.3,260
  Signal Layer 1 w5: v1(670.16,429.84) 650.32,410 650.32,373.52 812.34,211.5 1256.5,211.5 v1(1285,240)
  Signal Layer 4 w5: v1(1285,240) 1305,260 1356,260 1456,360 1630,360 1730,260 v1(1826,260)
  Bottom Layer w5: v1@670,430 v1(670.16,429.84) U6.5@714.53,429.84 ; U5.23@1238.2,214.44 1263.76,240 v1(1285,240)
USR_TDO_SWO: U5.24 U6.6 | length 1094.2
  Signal Layer 1 w5: v1(633,447) 687.5,501.5 1245.5,501.5 1325,422 v1(1325,280)
  Bottom Layer w5: v1(633,447) 635.53,449.53 U6.6@714.53,449.53 ; U5.24@1224.28,228.36 1255.92,260 1305,260 v1(1325,280)
USR_TMS_SWDIO: JLEFT.16 U5.25 U6.22 | length 1351.2
  Signal Layer 2 w5: JLEFT.16@380,50 380,122 512.69,254.69 680.14,254.69 680.34,254.5 785.5,254.5 920,389 969,389 v1(990,410) 1020,380 1252,380 1266.5,365.5 1266.5,283.5 v1(1270,280)
  Bottom Layer w5: U6.22@905.47,390.47 970.47,390.47 v1(990,410) ; U5.25@1210.36,242.28 1248.08,280 v1(1270,280)
USR_TX_TO_SYS_RX: TP26.TP U5.49 U6.24 | length 678.8
  Signal Layer 2 w5: v1(1030,400) 1050,420 1110,420 v1(1380,690)
  Bottom Layer w5: U6.24@905.47,351.1 961.1,351.1 1010,400 v1(1030,400) ; v1(1380,690) 1397.36,690 U5.49@1430.29,657.08
VBATT: J20.BAT R45.2 TP13.TP U1.14 U1.15 U1.16 | length 494.8
  Top Layer w7: v1(1795,486) 1898.37,589.37 J20.BAT@1987.99,589.37
  Top Layer w20: J20.BAT@1987.99,589.37 2069.63,589.37 v1(2108,551)
  Bottom Layer w7: v1(1795,486) 1874.82,565.82 R45.2@1885,565.82
VOUT33: C10.1 U5.7 | length 103.1
  Bottom Layer w8: U5.7@1554.1,256.2 U5.7@1555.56,256.2 1588.5,223.26 1588.5,205 C10.1@1614.5,179
VREGIN: C18.1 U4.Cathode U5.8 | length 523.3
  Top Layer w12: C18.1@1714,279.72 C18.1@1714,282.18 1714,317 v1(1677,354) 1687,354 1763.5,430.5 U4.Cathode@1763.5,436.15
  Signal Layer 1 w12: v1(1480,280) 1486,274 1579,274 1659,354 v1(1677,354)
  Bottom Layer w8: v1(1480,280) 1503.92,280 U5.8@1541.64,242.28
VSYSTEM: C33.1 C34.1 D8.ANODE U1.1 U1.20 U2.10 U2.11 | length 279.7
  Signal Layer 2 w15: v1(1942,551) 1942,622 1966,646 v1(1966,716)
  Bottom Layer w12: C33.1@1976.5,480 C33.1@1983.5,487
  Bottom Layer w15: v1(1942,551) 1956,551 1970,565 ; v1(1966,716) 1986.86,736.86 1986.86,767.1 D8.ANODE@1987.76,768
VSYSTEM_USER: D8.CATHODE JRIGHT.1 | length 108.4
  Bottom Layer w20: JRIGHT.1@1895,765 JRIGHT.1@1880,750 1888,750 1907.76,769.76 1956.47,769.76 D8.CATHODE@1958.24,768
WAKE_USR: D7.ANODE U5.50 U6.28 | length 1774.7
  Top Layer w5: D7.ANODE@98.7,135 125,135 v1(140,120)
  Signal Layer 4 w5: v1(140,120) 148.84,120 278.84,250 750,250 777,277 v1(958,277) 958,329.16 972.34,343.5 1013.5,343.5 1258.5,588.5 1368.5,588.5 v1(1380,600)
  Bottom Layer w5: U6.28@819.84,324.53 819.84,302.58 845.43,277 v1(958,277) ; v1@1375,600 v1(1380,600) 1397,617 1418.05,617 1422.9,621.85 U5.50@1444.21,643.16
pads on no net: SIM1.1 SIM1.MTG1 SIM1.MTG2 U2.14 U5.9 U5.10 U5.11 U5.12 U5.39 U5.40 U8.P$2 U8.P$12 U9.3 U16.2 U16.6 U16.7 U16.8 U16.11 U16.17 U16.19 U16.23 U16.24 U16.25 U16.26 U16.27 U16.31 U16.34 U16.35 U16.36 U16.37 U16.42 U16.44 U16.45 U16.46 U16.47 U16.48 U16.49 U16.62 U19.5

## Polygon pours and split planes (outlines as drawn)
GND on Top Layer "TOP_GND_FILL" (solid, remove dead copper, pour order 1): 20,20 20,780 2110,780 2160,730 2160,20
GND on Bottom Layer "BOT_GND_FILL" (solid, remove dead copper, pour order 2): 20,20 20,780 2110,780 2160,730 2160,20
GND on Internal Plane 1 (split plane): 2159.9,741.68 2159.9,20.1 20.1,20.1 20.1,779.9 2121.68,779.9
+3.8V on Internal Plane 2 (split plane): 2159.9,741.68 2159.9,20.1 107,20.1 107,104 20.1,104 20.1,779.9 670.9,779.9 670.9,635.1 622,635.1 620.05,634.71 618.4,633.6 617.29,631.95 616.9,630 616.9,553.1 230,553.1 228.05,552.71 226.4,551.6 225.29,549.95 224.9,548 224.9,520 224.9,230 225.29,228.05 226.4,226.4 296.4,156.4 298.05,155.29 300,154.9 1820,154.9 1821.95,155.29 1823.6,156.4 1824.71,158.05 1825.1,160 1825.1,600 1824.71,601.95 1823.6,603.6 1753.6,673.6 1751.95,674.71 1750,675.1 1592.11,675.1 1585.1,682.11 1585.1,779.9 2121.68,779.9
+3.3V on Internal Plane 2 (split plane): 1574.9,680 1575.29,678.05 1576.4,676.4 1586.4,666.4 1588.05,665.29 1590,664.9 1747.89,664.9 1814.9,597.89 1814.9,165.1 302.11,165.1 235.1,232.11 235.1,520 235.1,542.9 621,542.9 621.5,543 622,542.9 623.95,543.29 625.6,544.4 626.71,546.05 627.1,548 627.1,624.9 676,624.9 677.95,625.29 679.6,626.4 680.71,628.05 681.1,630 681.1,779.9 1574.9,779.9

## Other copper
Top Layer:
  rectangle net USR_RESET: 449,0 513,49
  rectangle net USR_TMS_SWDIO: 349,0 413,49
  region net USER_PROGRAM: 911,800 847,800 847,751 911,751
  region net SYS_RESET: 1011,800 947,800 947,751 1011,751
  rectangle net GND: 2035,300 2115,450
  rectangle net GND: 1950,290 2035,440
  rectangle net GND: 1735,568 1826,713.14
  rectangle net SYSTEMVIN: 1849,0 1911,49
  rectangle net GND: 1749,0 1813,49
  rectangle net USER04: 1649,0 1713,49
  rectangle net USER05: 1549,0 1613,49
  rectangle net USER15: 1149,0 1213,49
  rectangle net USER17: 1249,0 1313,49
  rectangle net USER14: 1349,0 1413,49
  rectangle net USER13: 1449,0 1513,49
  rectangle net USER01: 749,0 813,49
  rectangle net USER02: 849,0 913,49
  rectangle net USER03: 949,0 1013,49
  rectangle net USER07: 1049,0 1113,49
  rectangle net USER08: 549,0 613,49
  rectangle net USER06: 649,0 713,49
  rectangle net SYS_TMS_SWDIO: 149,0 213,49
  rectangle net USR_TCK_SWDCLK: 249,0 313,49
  region net USER26: 511,800 447,800 447,751 511,751
  region net USER28: 411,800 347,800 347,751 411,751
  region net USER27: 311,800 247,800 247,751 311,751
  region net SYS_TCK_SWDCLK: 211,800 147,800 147,751 211,751
  region net +3.3V: 811,800 747,800 747,751 811,751
  region net USER23: 711,800 647,800 647,751 711,751
  region net USER24: 611,800 547,800 547,751 611,751
  region net USER10: 1311,800 1247,800 1247,751 1311,751
  region net USER09: 1211,800 1147,800 1147,751 1211,751
  region net USER11: 1111,800 1047,800 1047,751 1111,751
  region net USER19: 1711,800 1647,800 1647,751 1711,751
  region net USER16: 1611,800 1547,800 1547,751 1611,751
  region net USER18: 1511,800 1447,800 1447,751 1511,751
  region net USER12: 1411,800 1347,800 1347,751 1411,751
  region net VSYSTEM_USER: 1911,800 1847,800 1847,751 1911,751
  region net GND: 1811,800 1747,800 1747,751 1811,751
Bottom Layer:
  region net +3.8V: 2035.63,20 2035.63,190.63 1950.63,190.63 1950.63,20
  region net GND: 2160,20 2160,205 2065,205 2065,20
  region net GND: 2145,290 2145,355 2045,355 2045,290
  region net GND: 1930,450 1930,500 1865,500 1865,450
  region net GND: 1930,410 1930,500 1900,500 1900,410
  region net VSYSTEM: 1996,384 1996,487 1966,487 1966,384
  region net NetL5_P$1: 1890,365 1890,441 1825,441 1825,365
  region net NetL5_P$2: 1875,310 1875,350 1704,350 1704,310
  region net NetL5_P$1: 1955,365 1955,395 1875,395 1875,365
  region net NetL5_P$2: 1927,235 1927,280 1850,280 1850,235
  region net +3.8V: 1995.63,190 1995.63,261.82 1965.63,261.82 1965.63,190
  rectangle net VSYSTEM: 1955,487 1980,607.32
  rectangle net VSYSTEM: 1970,540 2011,565
  rectangle net VBATT: 2081,556 2126,584
  rectangle net VBATT: 2111,556 2136,627
  region net NetL5_P$2: 1880,235 1880,350 1850,350 1850,235
  region net NetL5_P$2: 1958,235 1958,261 1885,261 1885,235
Internal Plane 2 (plane layer: these items are gaps in the copper):
  rectangle: 1,1 107,104
  lines w10: 295,760 295.29,759.71 ; 622,548 622,630 676,630 676,798 678,800 ; 622,549 621,548 230,548 230,520 230,230 300,160 1820,160 1820,600 1750,670 1590,670 1580,680 1580,800 ; 2169.07,416.4 2170.47,415

## Silkscreen, mask and mechanical layers (free items; w line width, h text height)
Top Overlay:
  region: 1795,486 1795,704 1785,704 1785,486
  region: 1795,486 1795,496 1693,496 1693,486
  region: 1703,486 1703,666 1693,666 1693,486
  region: 1795,694 1795,704 1693,704 1693,694
  region: 1773,594 1773,604 1719,604 1719,594
  region: 1773,620 1773,630 1719,630 1719,620
  region: 1748,594 1748,630 1738,630 1738,594
  lines w10: 1681,688 1768,664 1748,654 1768,644 1724,639 ; 1722.01,581.47 ccw(c1739.33,571.47) 1724.01,558.62 ccw(c1731.87,564.79) 1741.72,563.06 1746.28,575.6 ; 1746.57,575.5 cw(c1756.9,571.74) 1764.68,579.52 cw(c1743.03,567.02) 1764.68,554.52 ; 1732,513 cw(c1732,526) 1732,539 1755,539 cw(c1755,526) 1755,513 1732,513
  text "VUSR" at 1924.11,753.3 h60
  text "3.3" at 846.7,728.75 h60 r90
  text "SRS" at 1039.7,718.61 h50 r90
  text "PRG" at 945.7,716.61 h50 r90
  text "SLK" at 244,714 h55 r90
  text "A01" at 1441.7,714.07 h60 r90
  text "D30" at 346.7,711.61 h60 r90
  text "D29" at 446.7,711.67 h60 r90
  text "D28" at 546.7,711.61 h60 r90
  text "D27" at 646.7,711.61 h60 r90
  text "D07" at 1146.7,711.61 h60 r90
  text "D02" at 1641.7,711.67 h60 r90
  text "D26" at 741.7,711.38 h60 r90
  text "D06" at 1241.7,711.38 h60 r90
  text "D05" at 1341.7,711.5 h60 r90
  text "RX0" at 1543,708 h60 r90
  text "TX0" at 1741,706 h60 r90
  text "GND" at 1841.7,696.23 h60 r90
  text "RESET" at 1544,565 h60 r90
  text "US002006" at 1830,443 h65 r90
  text "POEM / Technology" at 1230,279.6 h50
  text "IoTa 1.0" at 1229,248 h50
  text "PROG" at 1544,224 h60 r90
  text "Rev A" at 1230,206 h50
  text "UIO" at 441.76,11 h50 r90
  text "ULK" at 342.22,5 h50 r90
  text "URS" at 544.84,5 h50 r90
  text "DAC" at 646,5 h50 r90
  text "D19" at 745.08,5 h50 r90
  text "D18" at 845.35,5 h50 r90
  text "D17" at 944.43,5 h50 r90
  text "D16" at 1045,5 h50 r90
  text "D15" at 1144.67,5 h50 r90
  text "TX2" at 1245.06,5 h50 r90
  text "D13" at 1345.35,5 h50 r90
  text "RX2" at 1444.85,5 h50 r90
  text "SCK" at 1546.33,5 h50 r90
  text "SCL" at 1645.44,5 h50 r90
  text "SDA" at 1744.15,5 h50 r90
  text "GND" at 1846.02,5 h50 r90
  text "VIN" at 1948.29,5 h50 r90
  text "SIO" at 242,3 h50 r90
Bottom Overlay:
  lines w5: 267,642 307,642 ; 297,632 307,642 ; 297,652 307,642 ; 237,602 327,602 347,622 347,682 237,682 237,602
Mechanical 2:
  circle w5: c1586,639 r3.16
Mechanical 16:
  lines w10: 0,0 2180,0 2180,750 2130,800 0,800 0,0 ; 1775,170 1861.61,170 1861.61,295.98 1775,295.98 1775,170
Mechanical 32:
  lines w5: 0,0 0,800 2120,800 2170,750 2170,415 2170,60 2170,0 0,0
  lines w20: 20,20 2150,20 2150,730 2100,780 20,780 20,20
Mechanical 93:
  lines w10: 0,0 2170.47,0 2170.47,60 2135.47,60 2135.47,395 2170.47,415 2170.47,750 2120.47,800 0,800 0,0

## Dimensions
60,831 to 121,-17 on Mechanical 16
-22,831 to 2194,869 on Mechanical 16

## Text inside footprints (layer, text, board x,y; h text height)
J1: Mechanical 17 "PCB Edge" at 2293,485 h60 r90